# KiCad board disorder30.kicad_pcb
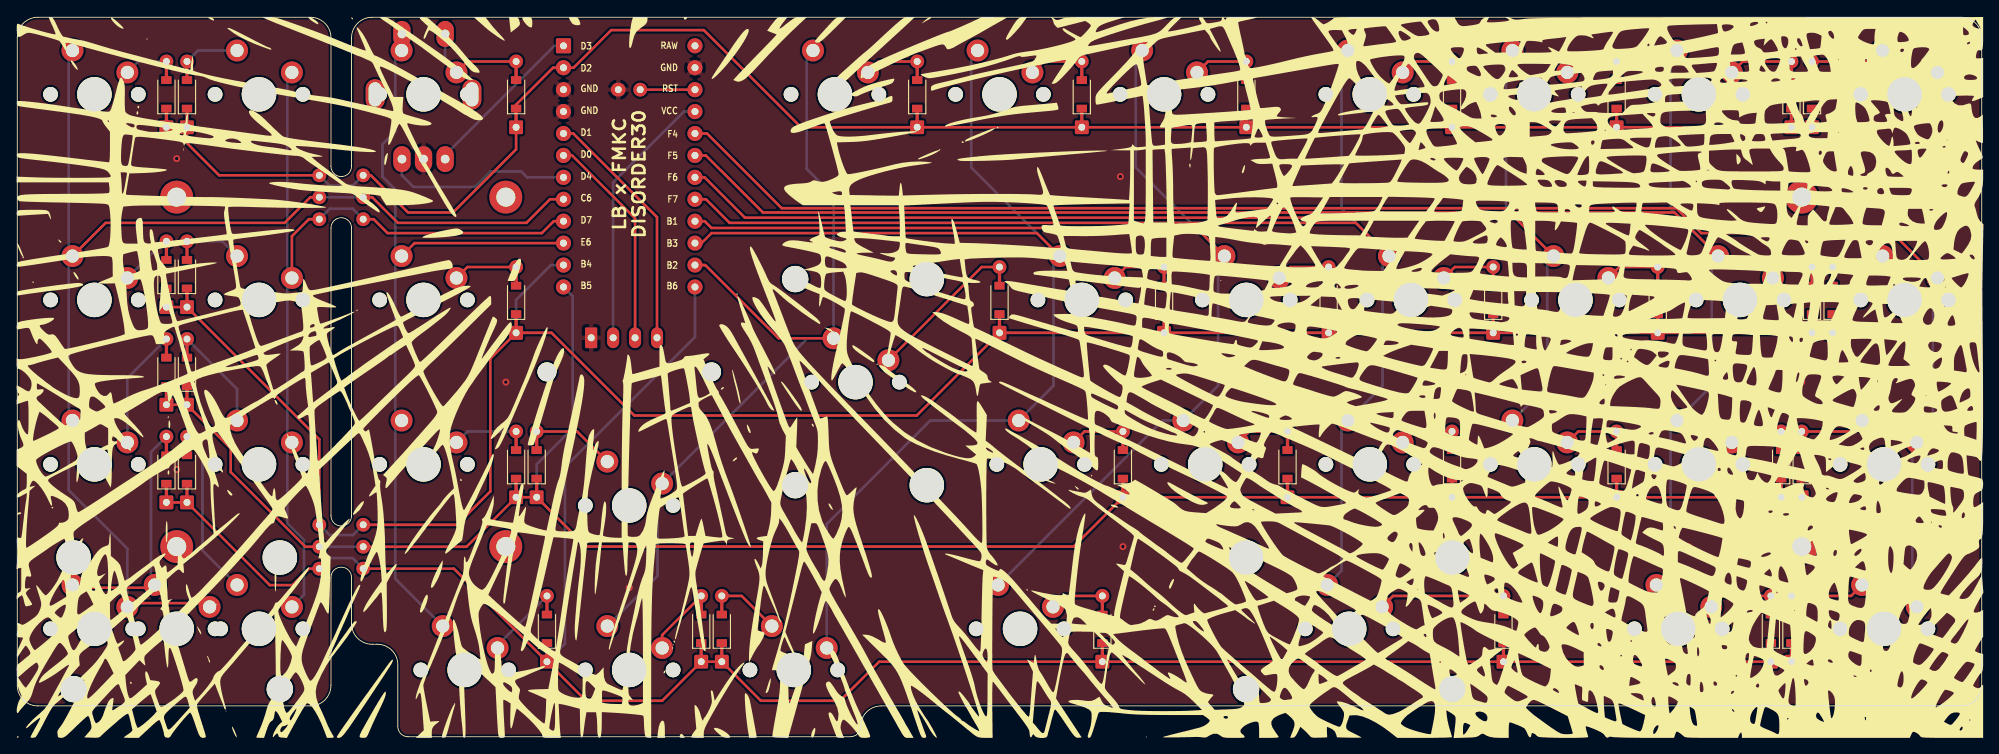
[diagram p0: board, top side]
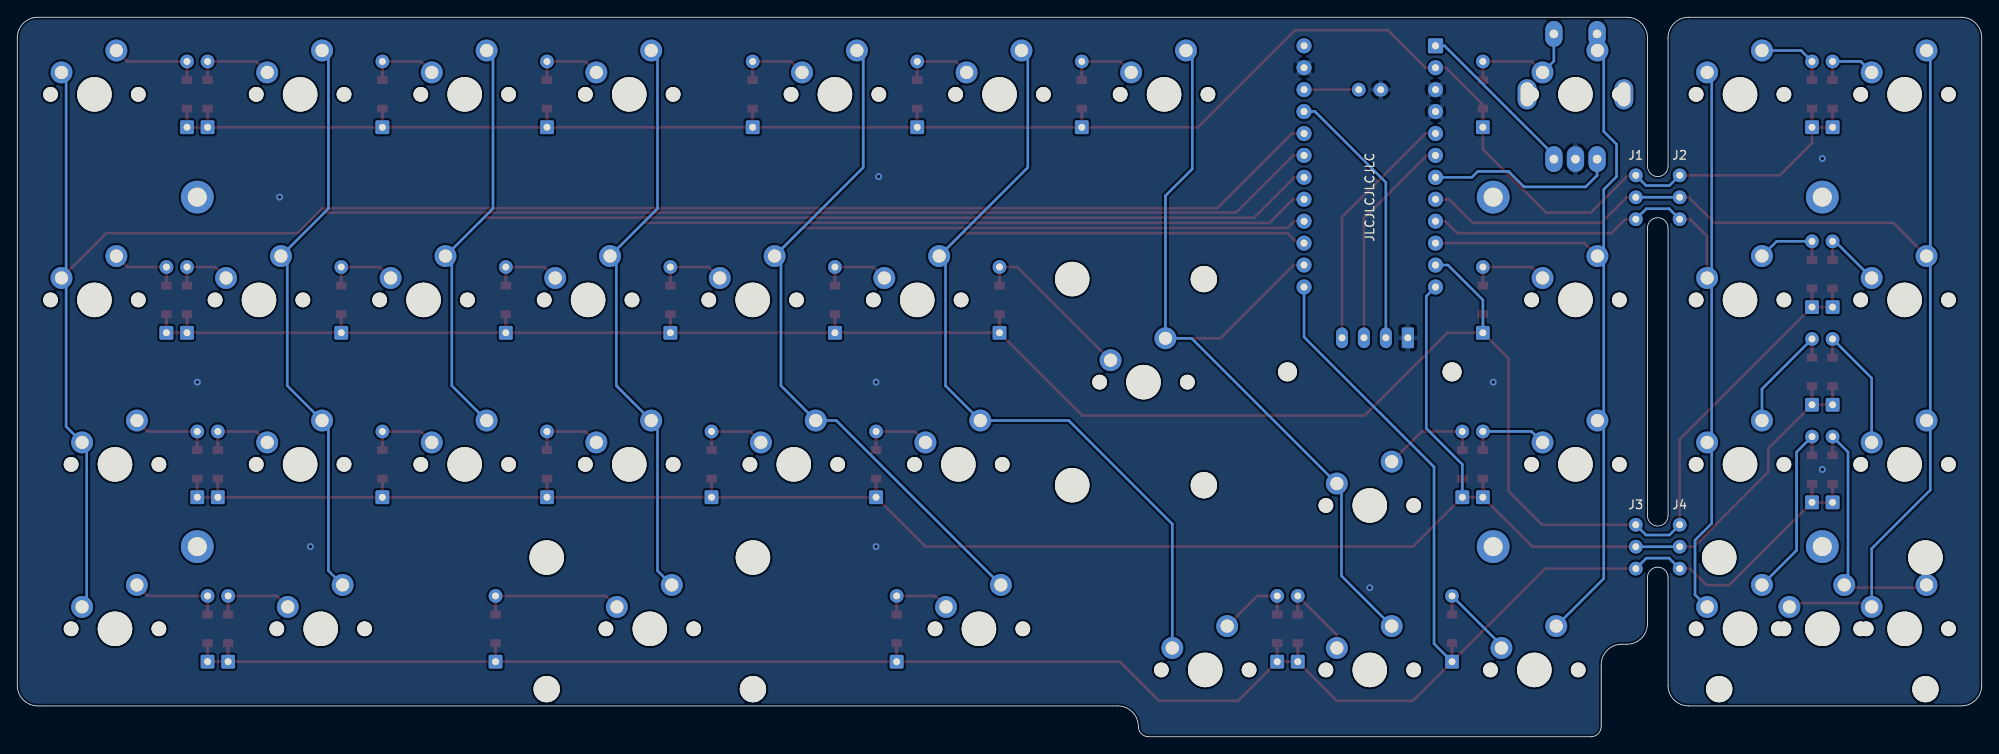
[diagram p1: board, bottom side, seen from below]

Outline 227.41 x 83.34 mm; copper layers: Top, Bottom. Coordinates in mm from the lower left corner of the outline.
Outline path: 0,80.96 arc(0.7,82.65) 2.38,83.34 33.93,83.34 arc(35.62,82.65) 36.31,80.96 36.31,66.08 arc(37.5,64.89) 38.7,66.08 38.7,80.96 arc(39.39,82.65) 41.08,83.34 225.03,83.34 arc(226.71,82.65) 227.41,80.96 227.41,5.95 arc(226.71,4.27) 225.03,3.57 100.01,3.57 arc(98.33,2.87) 97.63,1.19 arc(97.28,0.35) 96.44,0 45.24,0 arc(44.4,0.35) 44.05,1.19 44.05,8.33 arc(43.36,10.02) 41.67,10.72 41.08,10.72 arc(39.39,11.41) 38.7,13.1 38.7,18.45 arc(37.5,19.65) 36.31,18.45 36.31,5.95 arc(35.62,4.27) 33.93,3.57 2.38,3.57 arc(0.7,4.27) 0,5.95 0,80.96 ; 36.31,58.94 arc(37.5,60.13) 38.7,58.94 38.7,25.6 arc(37.5,24.41) 36.31,25.6 36.31,58.94
Stack: Top 0.035mm / dielectric 1.51mm FR4 er 4.5 / Bottom 0.035mm

## Placement (name value [footprint] x y rotation side)
D1  D_Small  [diode_hybrid]  207.76 74.41 90 top
D2  D_Small  [diode_hybrid]  205.38 74.41 90 top
D3  D_Small  [diode_hybrid]  185.14 74.41 90 top
D4  D_Small  [diode_hybrid]  166.09 74.41 90 top
D5  D_Small  [diode_hybrid]  142.28 74.41 90 top
D6  D_Small  [diode_hybrid]  123.23 74.41 90 top
D7  D_Small  [diode_hybrid]  104.18 74.41 90 top
D8  D_Small  [diode_hybrid]  57.75 74.41 90 top
D9  D_Small  [diode_hybrid]  19.65 74.41 90 top
D10  D_Small  [diode_hybrid]  17.26 74.41 90 top
D11  D_Small  [diode_hybrid]  210.15 50.6 90 top
D12  D_Small  [diode_hybrid]  207.76 50.6 90 top
D13  D_Small  [diode_hybrid]  189.9 50.6 90 top
D14  D_Small  [diode_hybrid]  170.85 50.6 90 top
D15  D_Small  [diode_hybrid]  151.8 50.6 90 top
D16  D_Small  [diode_hybrid]  132.75 50.6 90 top
D17  D_Small  [diode_hybrid]  113.7 50.6 90 top
D18  D_Small  [diode_hybrid]  57.75 50.6 90 top
D19  D_Small  [diode_hybrid]  19.65 53.58 90 top
D20  D_Small  [diode_hybrid]  17.26 53.58 90 top
D21  D_Small  [diode_hybrid]  206.57 31.55 90 top
D22  D_Small  [diode_hybrid]  204.19 31.55 90 top
D23  D_Small  [diode_hybrid]  185.14 31.55 90 top
D24  D_Small  [diode_hybrid]  166.09 31.55 90 top
D25  D_Small  [diode_hybrid]  147.04 31.55 90 top
D26  D_Small  [diode_hybrid]  127.99 31.55 90 top
D27  D_Small  [diode_hybrid]  60.13 31.55 90 top
D28  D_Small  [diode_hybrid]  57.75 31.55 90 top
D29  D_Small  [diode_hybrid]  19.65 42.27 90 top
D30  D_Small  [diode_hybrid]  17.26 42.27 90 top
D31  D_Small  [diode_hybrid]  205.38 12.5 90 top
D32  D_Small  [diode_hybrid]  203 12.5 90 top
D33  D_Small  [diode_hybrid]  172.05 12.5 90 top
D34  D_Small  [diode_hybrid]  125.61 12.5 90 top
D35  D_Small  [diode_hybrid]  81.56 12.5 90 top
D36  D_Small  [diode_hybrid]  79.18 12.5 90 top
D37  D_Small  [diode_hybrid]  61.32 12.5 90 top
D38  D_Small  [diode_hybrid]  19.65 30.96 90 top
D39  D_Small  [diode_hybrid]  17.26 30.96 90 top
EC1  RotaryEncoder_Switch  [RotaryEncoder_EC11]  47.03 74.41 90 bottom
G***  LOGO  [chaos]  113.7 41.67 0 top
H1  MountingHole  [MountingHole_2.2mm_M2_DIN965_Pad]  206.57 62.51 0 top
H2  MountingHole  [MountingHole_2.2mm_M2_DIN965_Pad]  206.57 22.03 0 top
H3  MountingHole  [MountingHole_2.2mm_M2_DIN965_Pad]  56.55 62.51 0 top
H4  MountingHole  [MountingHole_2.2mm_M2_DIN965_Pad]  56.55 22.03 0 top
H5  MountingHole  [MountingHole_2.2mm_M2_DIN965_Pad]  18.45 62.51 0 top
H6  MountingHole  [MountingHole_2.2mm_M2_DIN965_Pad]  18.45 22.03 0 top
H7  MountingHole  [MountingHole_2.2mm_M2]  80.37 42.27 0 top
H8  MountingHole  [MountingHole_2.2mm_M2]  61.32 42.27 0 top
J1  Conn_01x03  [PinHeader_1x03_P2.54mm]  40.04 65.03 0 top
J2  Conn_01x03  [PinHeader_1x03_P2.54mm]  34.96 65.03 0 top
J3  Conn_01x03  [PinHeader_1x03_P2.54mm]  40.04 24.55 0 top
J4  Conn_01x03  [PinHeader_1x03_P2.54mm]  34.96 24.55 0 top
OLED1  SSD1306_OLED  [OLED_v2]  70.25 46.21 180 bottom
RST1  Conn_01x02  [PinHeader_1x02_P2.54mm]  70.84 74.96 270 top
SW1  SW_Push  [MX100]  218.48 74.41 0 top
SW2  SW_Push  [MX100]  194.67 74.41 0 top
SW3  SW_Push  [MX100]  175.62 74.41 0 top
SW4  SW_Push  [MX100]  156.57 74.41 0 top
SW5  SW_Push  [MX100]  132.75 74.41 0 top
SW6  SW_Push  [MX100]  113.7 74.41 0 top
SW7  SW_Push  [MX100]  94.65 74.41 0 top
SW8  SW_Push  [MX100]  47.03 74.41 0 top
SW9  SW_Push  [MX100]  27.98 74.41 0 top
SW10  SW_Push  [MX100]  8.93 74.41 0 top
SW11  SW_Push  [MX100]  218.48 50.6 0 top
SW12  SW_Push  [MX100]  199.43 50.6 0 top
SW13  SW_Push  [MX100]  180.38 50.6 0 top
SW14  SW_Push  [MX100]  161.33 50.6 0 top
SW15  SW_Push  [MX100]  142.28 50.6 0 top
SW16  SW_Push  [MX100]  123.23 50.6 0 top
SW17  SW_Push  [MX_ISOEnter]  97.04 41.08 0 top
SW18  SW_Push  [MX100]  47.03 50.6 0 top
SW19  SW_Push  [MX100]  27.98 50.6 0 top
SW20  SW_Push  [MX100]  8.93 50.6 0 top
SW21  SW_Push  [MX125]  216.1 31.55 0 top
SW22  SW_Push  [MX100]  194.67 31.55 0 top
SW23  SW_Push  [MX100]  175.62 31.55 0 top
SW24  SW_Push  [MX100]  156.57 31.55 0 top
SW25  SW_Push  [MX100]  137.52 31.55 0 top
SW26  SW_Push  [MX100]  118.47 31.55 0 top
SW27  SW_Push  [MX100]  70.84 26.79 0 top
SW28  SW_Push  [MX100]  47.03 31.55 0 top
SW29  SW_Push  [MX100]  27.98 31.55 0 top
SW30  SW_Push  [MX100]  8.93 31.55 0 top
SW31  SW_Push  [MX125]  216.1 12.5 0 top
SW32  SW_Push  [MX125]  192.29 12.5 0 top
SW33  SW_Push  [MX275R]  154.19 12.5 0 top
SW34  SW_Push  [MX125]  116.09 12.5 0 top
SW35  SW_Push  [MX100]  89.89 7.74 0 top
SW36  SW_Push  [MX100]  70.84 7.74 0 top
SW37  SW_Push  [MX100]  51.79 7.74 0 top
SW38  SW_Push  [MX100]  27.98 12.5 0 top
SW39  SW_Push  [MX100]  8.93 12.5 0 top
SW40  SW_Push  [MX200R]  18.45 12.5 0 top
U1  ProMicro  [ProMicro_v4]  70.84 65.56 180 bottom

## Footprints (pads in the part's own frame, mm; a bottom-side part is the same pattern mirrored in y, then rotated)
diode_hybrid
  rrect 1.6x1.6 hole 0.8: 1(-3.81,0)
  rect 2x0.381 smd: 1(-2.3,0) 2(2.3,0)
  rect 0.9x1.2 smd: 1(-1.65,0) 2(1.65,0)
  round 1.6 hole 0.8: 2(3.81,0)
MountingHole_2.2mm_M2
  round 2.2 hole 2.2 unplated: (0,0)
MountingHole_2.2mm_M2_DIN965_Pad
  round 3.8 hole 2.2: 1(0,0)
MX100
  round 1.702 hole 1.702 unplated: (-5.08,0) (5.08,0)
  round 3.988 hole 3.988 unplated: (0,0)
  round 2.54 hole 1.525: 1(-2.54,5.08) 2(3.81,2.54)
MX125
  round 1.702 hole 1.702 unplated: (-5.08,0) (5.08,0)
  round 3.988 hole 3.988 unplated: (0,0)
  round 2.54 hole 1.524: 1(-2.54,5.08) 2(3.81,2.54)
MX200R
  round 3.988 hole 3.988 unplated: (-11.938,8.255) (0,0) (11.938,8.255)
  round 3.048 hole 3.048 unplated: (-11.938,-6.985) (11.938,-6.985)
  round 1.702 hole 1.702 unplated: (-5.08,0) (5.08,0)
  round 2.54 hole 1.524: 1(-2.54,5.08) 2(3.81,2.54)
MX275R
  round 3.988 hole 3.988 unplated: (-11.938,8.255) (0,0) (11.938,8.255)
  round 3.048 hole 3.048 unplated: (-11.938,-6.985) (11.938,-6.985)
  round 1.702 hole 1.702 unplated: (-5.08,0) (5.08,0)
  round 2.54 hole 1.524: 1(-2.54,5.08) 2(3.81,2.54)
MX_ISOEnter
  round 3.048 hole 3.048 unplated: (-6.985,11.938) (-6.985,-11.938)
  round 1.702 hole 1.702 unplated: (-5.08,0) (5.08,0)
  round 3.988 hole 3.988 unplated: (0,0) (8.255,11.938) (8.255,-11.938)
  round 2.54 hole 1.524: 1(-2.54,5.08) 2(3.81,2.54)
OLED_v2
  rrect 1.397x2.397 hole 0.813: 1(-3.81,0) 2(-1.27,0) 3(1.27,0) 4(3.81,0)
PinHeader_1x02_P2.54mm
  round 1.6 hole 0.8: 1(0,1.27)
  oval 1.6x1.7 hole 0.8: 2(0,-1.27)
PinHeader_1x03_P2.54mm
  round 1.6 hole 0.8: 1(0,0) 2(0,-2.54) 3(0,-5.08)
ProMicro_v4
  rrect 1.753x1.753 hole 0.813: 1(7.611,14.478)
  round 1.753 hole 0.813: 2(7.611,11.938) 3(7.611,9.398) 4(7.611,6.858) 5(7.611,4.318) 6(7.611,1.778) 7(7.611,-0.762) 8(7.611,-3.302) 9(7.611,-5.842) 10(7.611,-8.382) 11(7.611,-10.922) 12(7.611,-13.462) 13(-7.609,-13.462) 14(-7.609,-10.922) 15(-7.609,-8.382) 16(-7.609,-5.842) 17(-7.609,-3.302) 18(-7.609,-0.762) 19(-7.609,1.778) 20(-7.609,4.318) 21(-7.609,6.858) 22(-7.609,9.398) 23(-7.609,11.938) 24(-7.609,14.478)
RotaryEncoder_EC11
  rrect 3.5x2.2 hole 2.8x1.5 unplated: (0,-5.6) (0,5.6)
  rrect 3x2 hole 1: A(-7.5,2.5)
  oval 3x2 hole 1: B(-7.5,-2.5) C(-7.5,0) S1(7,-2.5) S2(7,2.5)

## Nets
+5V: OLED1.3 U1.21
GND: EC1.C OLED1.4 RST1.2 U1.3 U1.4 U1.23
Col0: SW1.2 SW11.2 SW21.2 SW31.2 U1.20
Col1: SW2.1 SW12.1 SW22.1 SW32.1 U1.19
Col2: SW3.1 SW13.1 SW23.1 U1.18
Col3: SW4.1 SW14.1 SW24.1 SW33.1 U1.17
Col4: SW5.1 SW15.1 SW25.1 SW34.1 U1.16
Col5: SW6.1 SW16.1 SW26.1 SW35.2 U1.15
Col6: SW7.1 SW17.1 SW27.2 SW36.1 U1.14
Col7: EC1.S1 SW8.1 SW18.1 SW28.1 SW37.1 U1.10
Col8: J1.3 J2.3 SW9.2 SW19.2 SW29.2 SW38.2 U1.9
Col9: J1.2 J2.2 SW10.1 SW20.1 SW30.1 SW39.2 SW40.2 U1.8
EncA: EC1.A U1.1
EncB: EC1.B U1.7
EncS2: D8.2 EC1.S2 SW8.2
Row0: D1.1 D2.1 D3.1 D4.1 D5.1 D6.1 D7.1 D8.1 D9.1 D10.1 J1.1 J2.1 U1.2
Row1: D11.1 D12.1 D13.1 D14.1 D15.1 D16.1 D17.1 D18.1 D19.1 D20.1 J3.1 J4.1 U1.11
Row2: D21.1 D22.1 D23.1 D24.1 D25.1 D26.1 D27.1 D28.1 D29.1 D30.1 J3.2 J4.2 U1.12
Row3: D31.1 D32.1 D33.1 D34.1 D35.1 D36.1 D37.1 D38.1 D39.1 J3.3 J4.3 U1.13
SCL: OLED1.2 U1.6
SDA: OLED1.1 U1.5
Net-(D1-Pad2): D1.2 SW1.1
Net-(D2-Pad2): D2.2 SW2.2
Net-(D3-Pad2): D3.2 SW3.2
Net-(D4-Pad2): D4.2 SW4.2
Net-(D5-Pad2): D5.2 SW5.2
Net-(D6-Pad2): D6.2 SW6.2
Net-(D7-Pad2): D7.2 SW7.2
Net-(D9-Pad2): D9.2 SW9.1
Net-(D10-Pad2): D10.2 SW10.2
Net-(D11-Pad2): D11.2 SW11.1
Net-(D12-Pad2): D12.2 SW12.2
Net-(D13-Pad2): D13.2 SW13.2
Net-(D14-Pad2): D14.2 SW14.2
Net-(D15-Pad2): D15.2 SW15.2
Net-(D16-Pad2): D16.2 SW16.2
Net-(D17-Pad2): D17.2 SW17.2
Net-(D18-Pad2): D18.2 SW18.2
Net-(D19-Pad2): D19.2 SW19.1
Net-(D20-Pad2): D20.2 SW20.2
Net-(D21-Pad2): D21.2 SW21.1
Net-(D22-Pad2): D22.2 SW22.2
Net-(D23-Pad2): D23.2 SW23.2
Net-(D24-Pad2): D24.2 SW24.2
Net-(D25-Pad2): D25.2 SW25.2
Net-(D26-Pad2): D26.2 SW26.2
Net-(D27-Pad2): D27.2 SW27.1
Net-(D28-Pad2): D28.2 SW28.2
Net-(D29-Pad2): D29.2 SW29.1
Net-(D30-Pad2): D30.2 SW30.2
Net-(D31-Pad2): D31.2 SW31.1
Net-(D32-Pad2): D32.2 SW32.2
Net-(D33-Pad2): D33.2 SW33.2
Net-(D34-Pad2): D34.2 SW34.2
Net-(D35-Pad2): D35.2 SW35.1
Net-(D36-Pad2): D36.2 SW36.2
Net-(D37-Pad2): D37.2 SW37.2
Net-(D38-Pad2): D38.2 SW38.1
Net-(D39-Pad2): D39.2 SW39.1 SW40.1
Net-(RST1-Pad1): RST1.1 U1.22

Pads without a net: H1 1; H2 1; H3 1; H4 1; H5 1; H6 1; U1 24

## Via types
v1: diameter 0.8, hole 0.4, Top to Bottom, 10 vias

## Routing (per net, layer and track width the routed paths; a pad name or vN(x,y) marks a point on that pad's centre or on a via; arc(x,y) is an arc through that point)
+5V: length 30.9
  Bottom w0.305: 78.46,72.43 77.19,72.43 68.98,64.21 OLED1.3
GND:
  vias: v1(18.45,66.97) v1(18.45,30.96) v1(56.55,41.08) v1(70.84,17.26) v1(127.69,64.89) v1(127.99,41.08) v1(127.99,22.03) v1(193.48,22.03) v1(197.05,62.51) v1(206.57,41.08)
Col0: length 214.7
  Top w0.305: 78.46,69.77 78.46,69.89 ; SW11.2 217.09,58.34 194.94,58.34 192.06,61.23 88.49,61.23 79.84,69.88 U1.20
  Bottom w0.305: SW1.2 221.75,76.42 221.75,53.68 SW11.2 221.75,52.61 221.75,35.94 SW21.2 219.37,33.56 219.37,15.58 SW31.2
Col1: length 190.7
  Top w0.305: U1.19 79.7,67.34 86.32,60.72 191.85,60.72 SW12.1
  Bottom w0.305: SW2.1 191.39,78.76 191.39,61.18 SW12.1 196.16,54.95 196.16,40.66 SW22.1 191.39,35.9 191.39,19.23 SW32.1
Col2: length 150.6
  Top w0.305: SW13.1 173.39,60.13 84.24,60.13 79.56,64.8 U1.18
  Bottom w0.305: SW23.1 177.11,40.66 177.11,54.95 SW13.1 172.34,61.18 172.34,78.76 SW3.1
Col3: length 150.5
  Top w0.305: SW14.1 154.94,59.53 82.45,59.53 79.72,62.26 U1.17
  Bottom w0.305: SW4.1 153.29,78.76 153.29,61.18 SW14.1 158.06,54.95 158.06,40.66 SW24.1 153.29,35.9 153.29,19.23 SW33.1
Col4: length 141.7
  Top w0.305: U1.16 79.58,59.72 80.37,58.94 136.49,58.94 SW15.1
  Bottom w0.305: SW34.1 132.6,36.63 SW25.1 139.01,40.66 139.01,54.95 SW15.1 129.48,65.94 129.48,78.76 SW5.1
Col5: length 134.8
  Top w0.305: SW16.1 118.03,58.34 80.37,58.34 79.2,57.18 U1.15
  Bottom w0.305: SW6.1 110.43,78.76 110.43,65.94 SW16.1 119.96,54.95 119.96,40.66 SW26.1 105.69,36.63 93.7,24.65 93.7,10.28
Col6: length 101.2
  Top w0.305: U1.14 79.64,54.64 88.12,46.16 SW17.1 ; 91.56,80.05 SW7.1
  Bottom w0.305: SW7.1 91.38,78.76 91.38,65.78 94.5,62.67 SW17.1 91.48,46.16 SW27.2 74.12,28.79 74.12,18.63 SW36.1
Col7: length 93
  Top w0.305: SW18.1 45.99,57.18 U1.10
  Bottom w0.305: SW37.1 43.76,18.32 43.76,35.9 SW28.1 43.76,37.37 43.76,54.95 SW18.1 43.76,56.42 43.76,63.4 42.27,64.89 42.27,68.62 43.76,70.11 43.76,78.76 SW8.1 44.53,79.53 EC1.S1
Col8: length 103.7
  Top w0.305: SW19.2 31.79,57.98 33.76,59.95 J2.3 ; J1.3 41.25,59.95 42.86,58.34 60.72,58.34 62.1,59.72 U1.9
  Bottom w0.305: SW38.2 33.19,16.44 33.19,22.77 31.25,24.71 31.25,33.56 SW29.2 31.25,34.63 31.25,52.61 SW19.2 31.25,53.68 31.25,76.42 SW9.2 ; J2.3 36.18,61.17 38.83,61.17 J1.3
Col9: length 140.2
  Top w0.305: SW39.2 13.18,15.48 21.83,15.48 SW40.2 ; SW20.1 10.24,59.53 30.96,59.53 33.92,62.49 J2.2 ; U1.8 61.66,62.26 58.94,59.53 44.05,59.53 41.09,62.49 J1.2 ; 63.22,62.27 63.16,62.21
  Bottom w0.305: J2.2 J1.2 ; SW10.1 5.95,79.06 5.95,56.12 SW20.1 5.95,55.25 5.95,37.07 SW30.1 5.95,36.2 5.95,28.58 12.74,21.79 SW39.2
EncA: length 19.4
  Bottom w0.305: EC1.A 49.53,67.39 62.18,80.04 U1.1
EncB: length 22.2
  Bottom w0.305: EC1.B 44.53,65.01 45.84,63.7 52.98,63.7 54.77,65.48 58.34,65.48 59.03,64.8 U1.7
EncS2: length 12.4
  Top w0.305: SW8.2 52.11,78.22 D8.2
  Bottom w0.305: SW8.2 49.53,78.26 EC1.S2
Row0: length 210.9
  Top w0.305: D10.1 D9.1 19.65,68.76 23.37,65.03 J2.1 ; D8.1 57.75,73.22 62.02,77.5 U1.2 64.4,77.5 68.76,81.86 79.47,81.86 90.73,70.6 D7.1 D1.1 ; D8.1 57.75,68.04 50.42,60.72 45.24,60.72 40.93,65.03 J1.1
  Bottom w0.305: J1.1 38.86,63.85 36.15,63.85 J2.1
Row1: length 247.2
  Top w0.305: J4.1 34.96,34.45 D19.1 D20.1 ; D11.1 D16.1 D17.1 104.12,37.21 71.44,37.21 61.85,46.79 D18.1 54.77,43.82 54.77,28.43 50.89,24.55 J3.1
  Bottom w0.305: J4.1 36.15,23.37 38.86,23.37 J3.1 ; U1.11 61.78,54.64 57.75,50.6 D18.1
Row2: length 231.4
  Top w0.305: J4.2 33.35,22.01 24.71,30.66 24.71,33.4 D29.1 D30.1 ; D21.1 D26.1 122.28,22.03 65.84,22.03 D27.1 D28.1 52.02,22.01 J3.2
  Bottom w0.305: D27.1 60.13,31.55 64.29,35.72 64.29,51.04 U1.12 ; J4.2 J3.2
Row3: length 256.4
  Top w0.305: D39.1 D38.1 29.23,17.56 31.85,17.56 33.76,19.47 J4.3 ; J3.3 50.54,19.47 D37.1 65.84,4.17 74.65,4.17 D36.1 D35.1 86.08,4.17 95.25,4.17 99.77,8.69 D34.1 D31.1
  Bottom w0.305: U1.13 78.45,46.3 63.4,31.25 63.4,10.78 D37.1 ; J3.3 38.83,20.69 36.18,20.69 J4.3
SCL: length 25.2
  Top w0.305: OLED1.2 71.52,60.05 64.21,67.35 63.22,67.35
SDA: length 28.8
  Top w0.305: OLED1.1 74.06,60.19 64.35,69.89 63.22,69.89
Net-(D1-Pad2): length 8.7
  Top w0.305: D1.2 214.67,78.22 SW1.1
Net-(D2-Pad2): length 7.4
  Top w0.305: SW2.2 199.75,78.22 D2.2
Net-(D3-Pad2): length 6.2
  Top w0.305: D3.2 180.7,78.22 SW3.2
Net-(D4-Pad2): length 6.2
  Top w0.305: SW4.2 161.65,78.22 D4.2
Net-(D5-Pad2): length 6.2
  Top w0.305: SW5.2 137.83,78.22 D5.2
Net-(D6-Pad2): length 6.2
  Top w0.305: SW6.2 118.78,78.22 D6.2
Net-(D7-Pad2): length 6.2
  Top w0.305: D7.2 99.73,78.22 SW7.2
Net-(D9-Pad2): length 6.3
  Bottom w0.305: SW9.1 20.92,79.49 D9.2
Net-(D10-Pad2): length 5.1
  Bottom w0.305: SW10.2 14.01,78.22 D10.2
Net-(D11-Pad2): length 6.3
  Top w0.305: SW11.1 214.67,54.41 D11.2
Net-(D12-Pad2): length 5.1
  Top w0.305: SW12.2 204.51,54.41 D12.2
Net-(D13-Pad2): length 6.2
  Top w0.305: SW13.2 185.46,54.41 D13.2
Net-(D14-Pad2): length 6.2
  Top w0.305: D14.2 166.41,54.41 SW14.2
Net-(D15-Pad2): length 6.2
  Top w0.305: D15.2 147.36,54.41 SW15.2
Net-(D16-Pad2): length 6.2
  Top w0.305: D16.2 128.31,54.41 SW16.2
Net-(D17-Pad2): length 17.3
  Top w0.305: SW17.2 111.64,54.41 D17.2
Net-(D18-Pad2): length 7.4
  Top w0.305: D18.2 52.11,54.41 SW18.2
Net-(D19-Pad2): length 6.5
  Bottom w0.305: SW19.1 23.73,57.39 D19.2
Net-(D20-Pad2): length 6.3
  Bottom w0.305: D20.2 16.99,57.39 SW20.2
Net-(D21-Pad2): length 7.5
  Top w0.305: SW21.1 212.29,35.36 D21.2
Net-(D22-Pad2): length 6.2
  Top w0.305: SW22.2 199.75,35.36 D22.2
Net-(D23-Pad2): length 6.2
  Top w0.305: SW23.2 180.7,35.36 D23.2
Net-(D24-Pad2): length 6.2
  Top w0.305: D24.2 161.65,35.36 SW24.2
Net-(D25-Pad2): length 6.2
  Top w0.305: D25.2 142.6,35.36 SW25.2
Net-(D26-Pad2): length 6.2
  Top w0.305: SW26.2 123.55,35.36 D26.2
Net-(D27-Pad2): length 9.6
  Top w0.305: SW27.1 64.81,35.36 D27.2
Net-(D28-Pad2): length 7.4
  Bottom w0.305: D28.2 52.11,35.36 SW28.2
Net-(D29-Pad2): length 11.8
  Bottom w0.305: SW29.1 25.44,40.28 D29.2
Net-(D30-Pad2): length 13.9
  Bottom w0.305: SW30.2 12.74,41.55 D30.2
Net-(D31-Pad2): length 8.7
  Top w0.305: SW31.1 212.29,16.31 D31.2
Net-(D32-Pad2): length 7.4
  Top w0.305: SW32.2 197.37,16.31 D32.2
Net-(D33-Pad2): length 14.6
  Top w0.305: SW33.2 159.27,16.31 D33.2
Net-(D34-Pad2): length 6.2
  Top w0.305: D34.2 121.17,16.31 SW34.2
Net-(D35-Pad2): length 7.2
  Top w0.305: D35.2 83.86,16.31 SW35.1
Net-(D36-Pad2): length 7.9
  Top w0.305: D36.2 74.65,11.79 74.65,10.28
Net-(D37-Pad2): length 8.4
  Bottom w0.305: 55.6,10.28 55.6,10.6 D37.2
Net-(D38-Pad2): length 19.6
  Bottom w0.305: D38.2 21.43,32.98 21.43,21.59 SW38.1
Net-(D39-Pad2): length 27.9
  Top w0.305: SW40.1 15.6,17.26 6.71,17.26 SW39.1
  Bottom w0.305: D39.2 15.48,32.98 15.48,18.02 SW40.1
Net-(RST1-Pad1): length 6.3
  Top w0.305: U1.22 RST1.1

## Copper pours and planes (outline as drawn; the poured copper is in the pictures)
GND on Top: 227.41,3.57 101.2,3.57 101.2,-1.19 40.48,-1.19 40.48,3.57 0,3.57 0,83.34 227.41,83.34
GND on Bottom: 227.41,3.57 101.2,3.57 101.2,-1.19 40.48,-1.19 40.48,3.57 0,3.57 0,83.34 227.41,83.34

## Text on the board
B.Silkscreen: JLCJLCJLCJLC
F.Silkscreen: LB x FMKC / DISORDER30
